# Altium PCB pcb.PcbDoc (part 1 of 2)
Units mil, origin at the board's own origin, x right, y up, seen from the top; angles counter-clockwise.
Board outline 3149.61 x 3307.09 mil, 4 copper layers (Top Layer, Layer 1, Layer 2, Bottom Layer), stack 23.756 mil thick; 88 components, 79 nets, 394 pads, 127 vias.
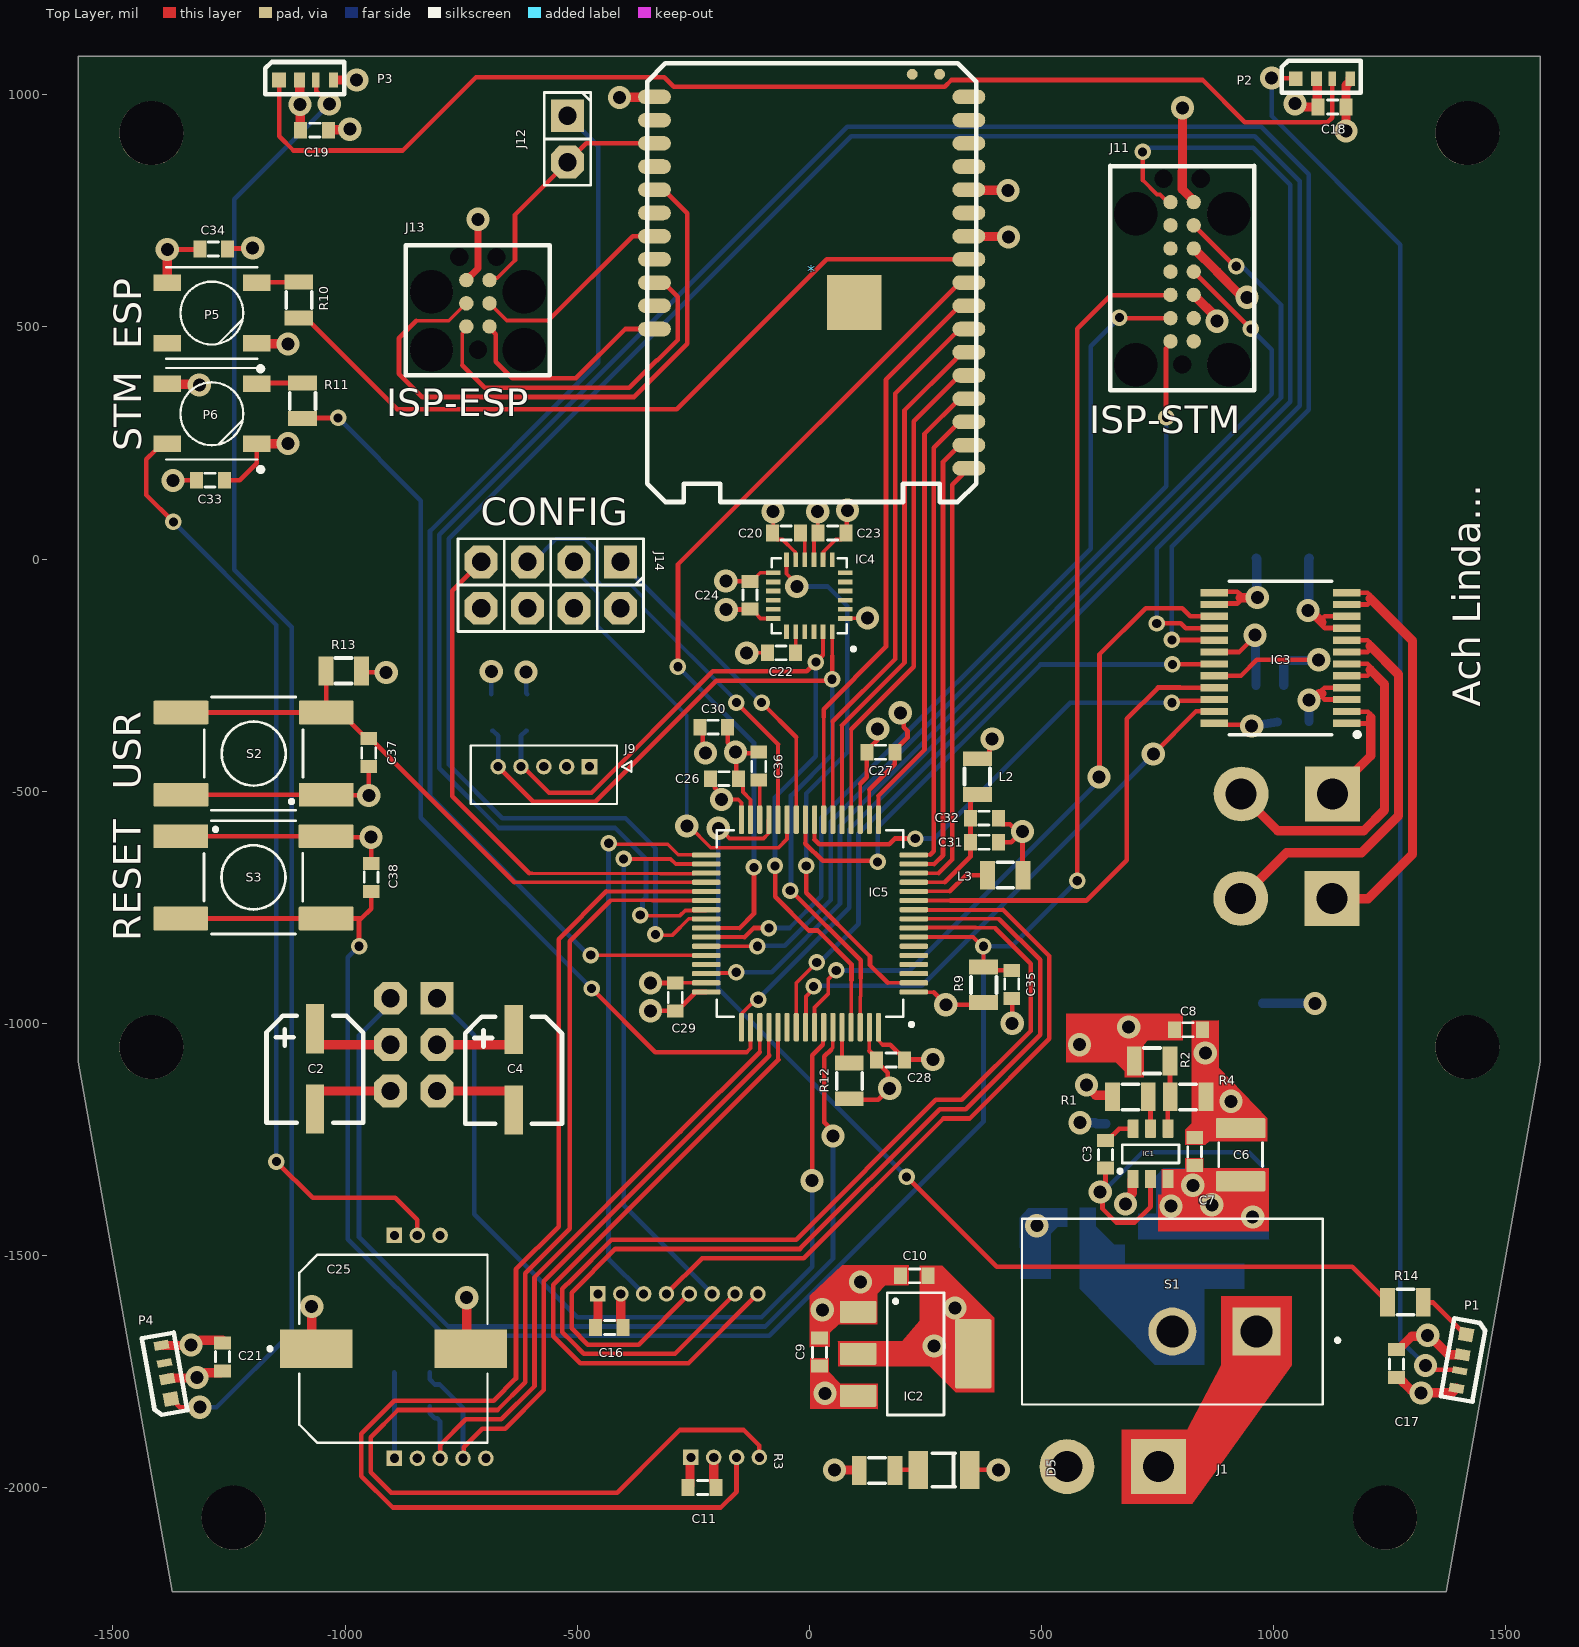
[diagram p0: Top Layer view]
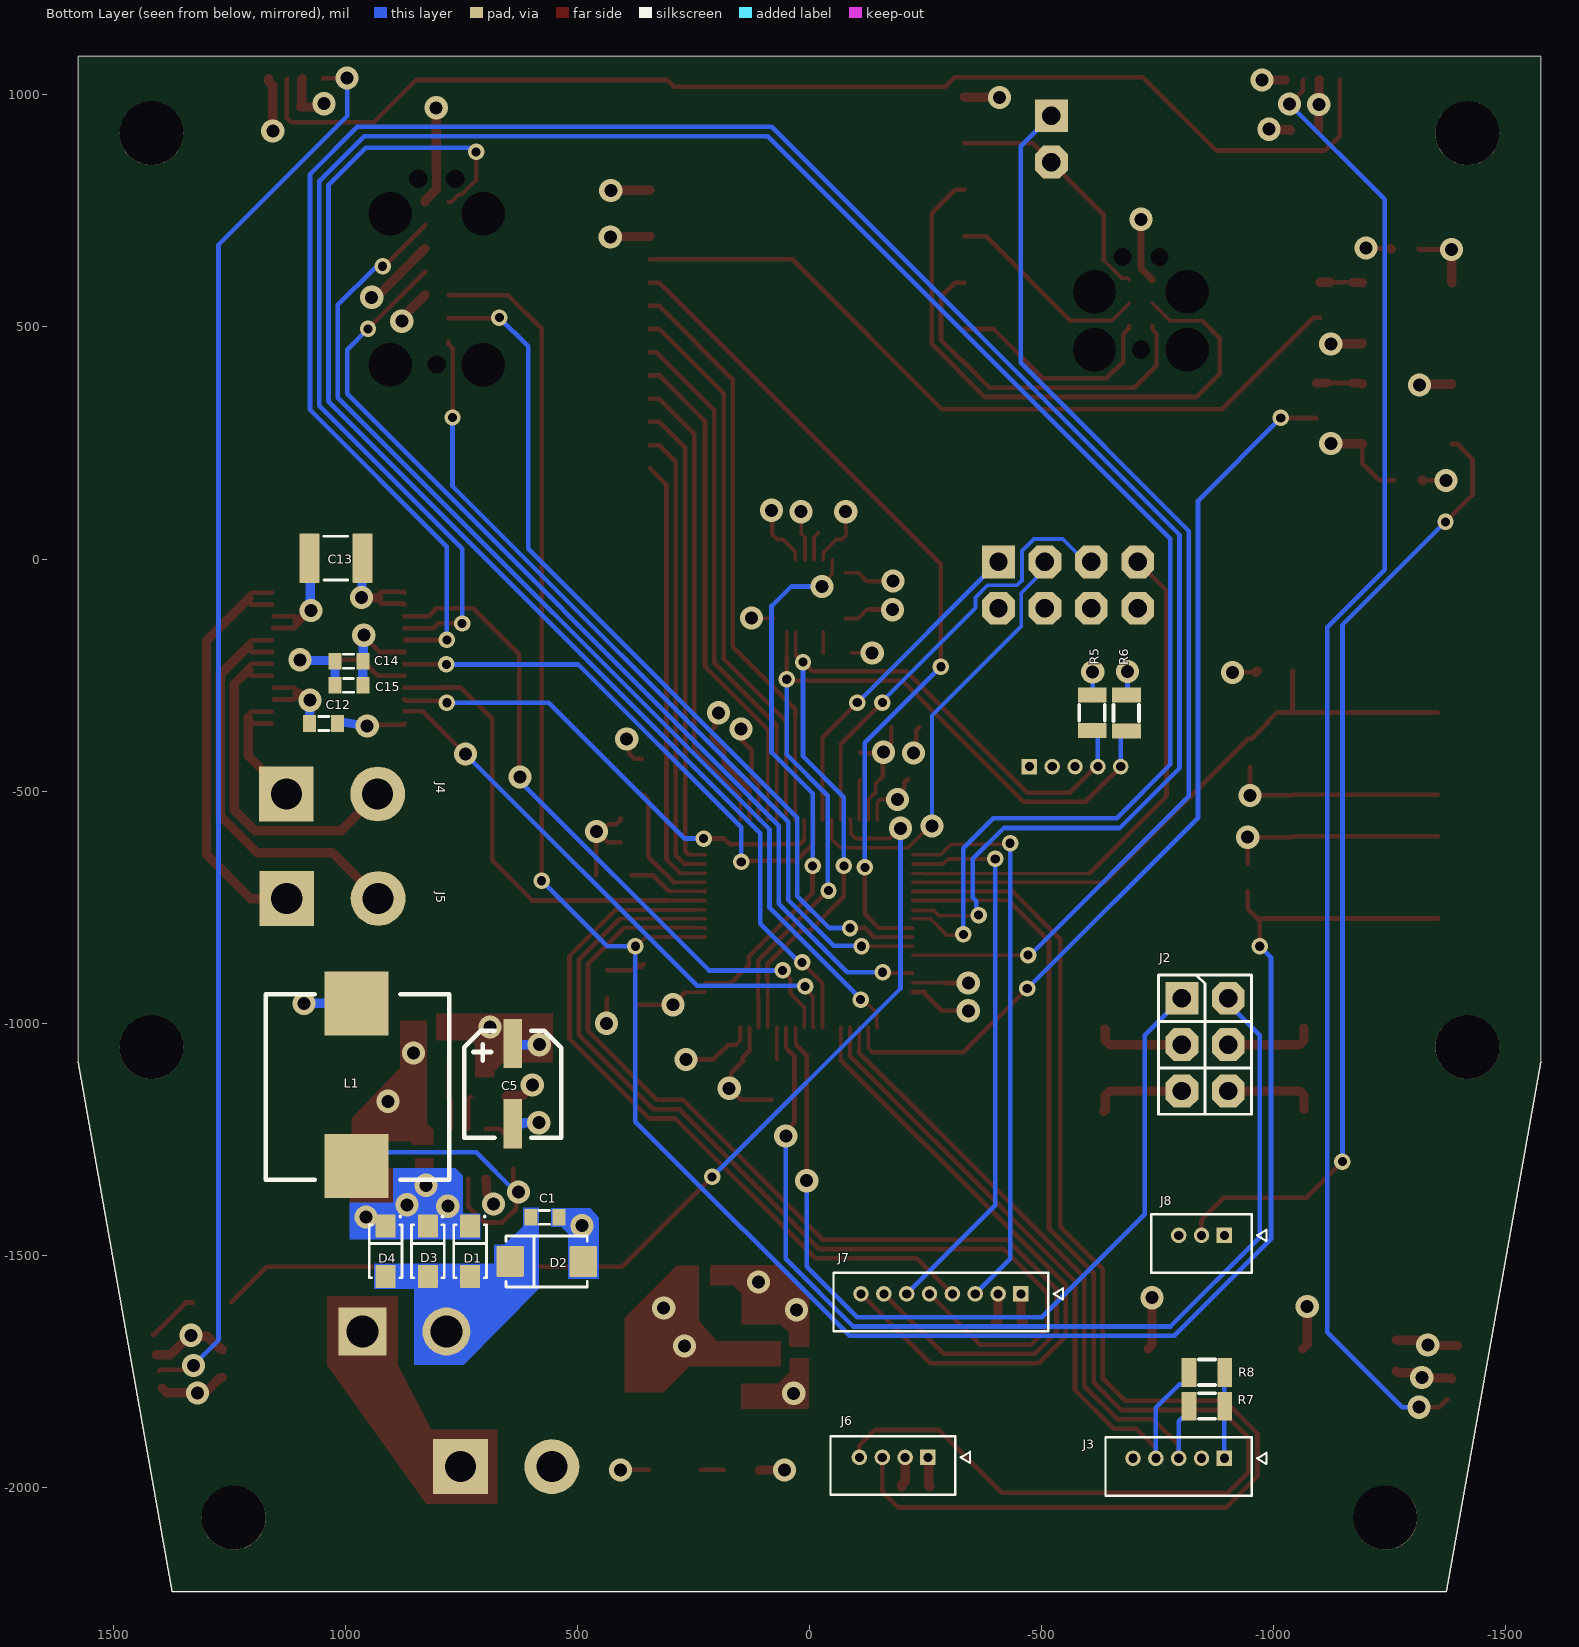
[diagram p1: Bottom Layer view, seen from below]
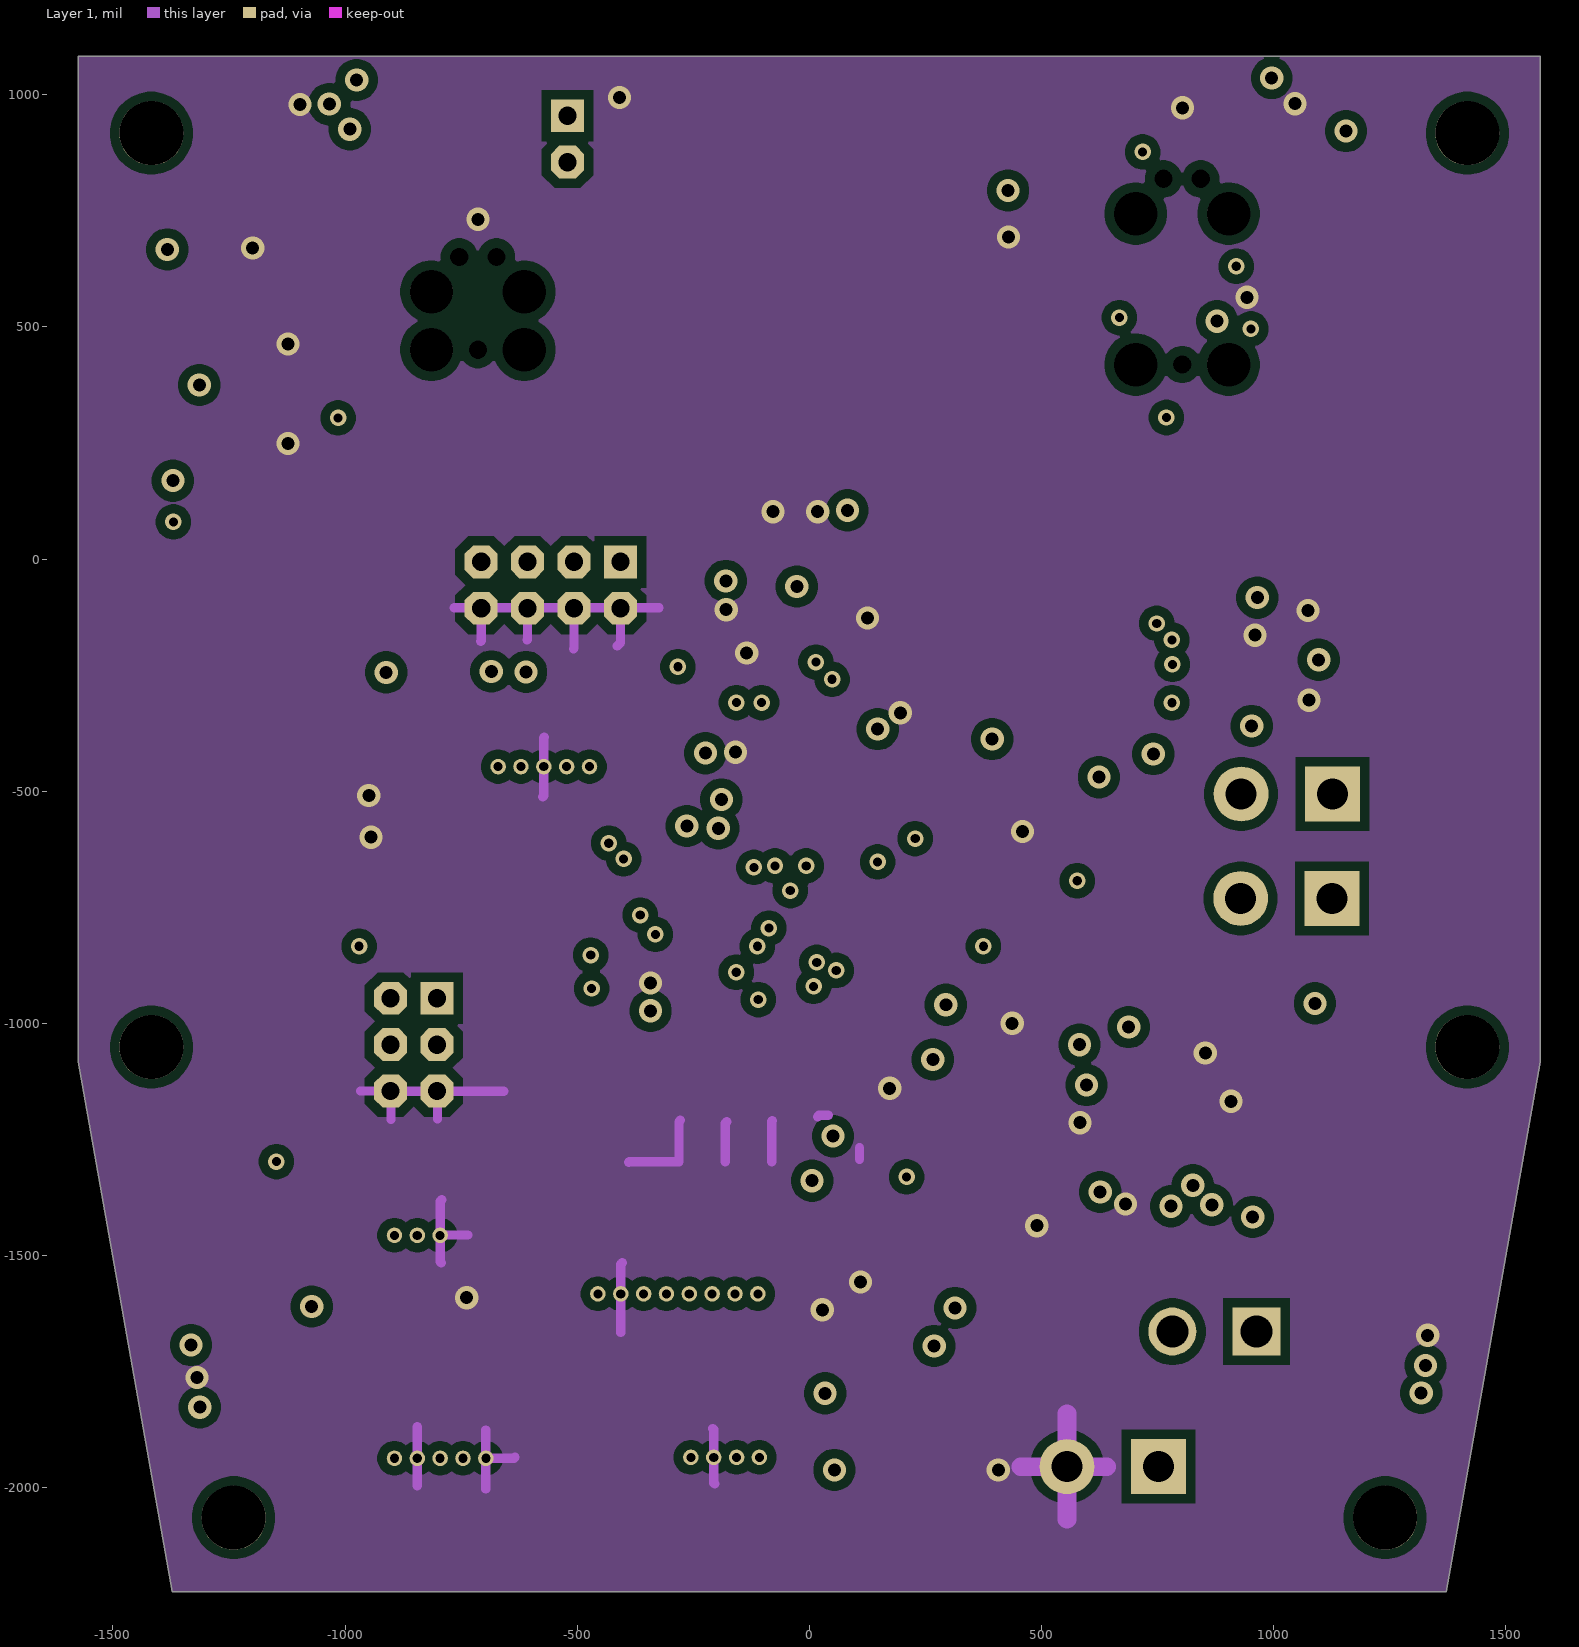
[diagram p2: Layer 1]
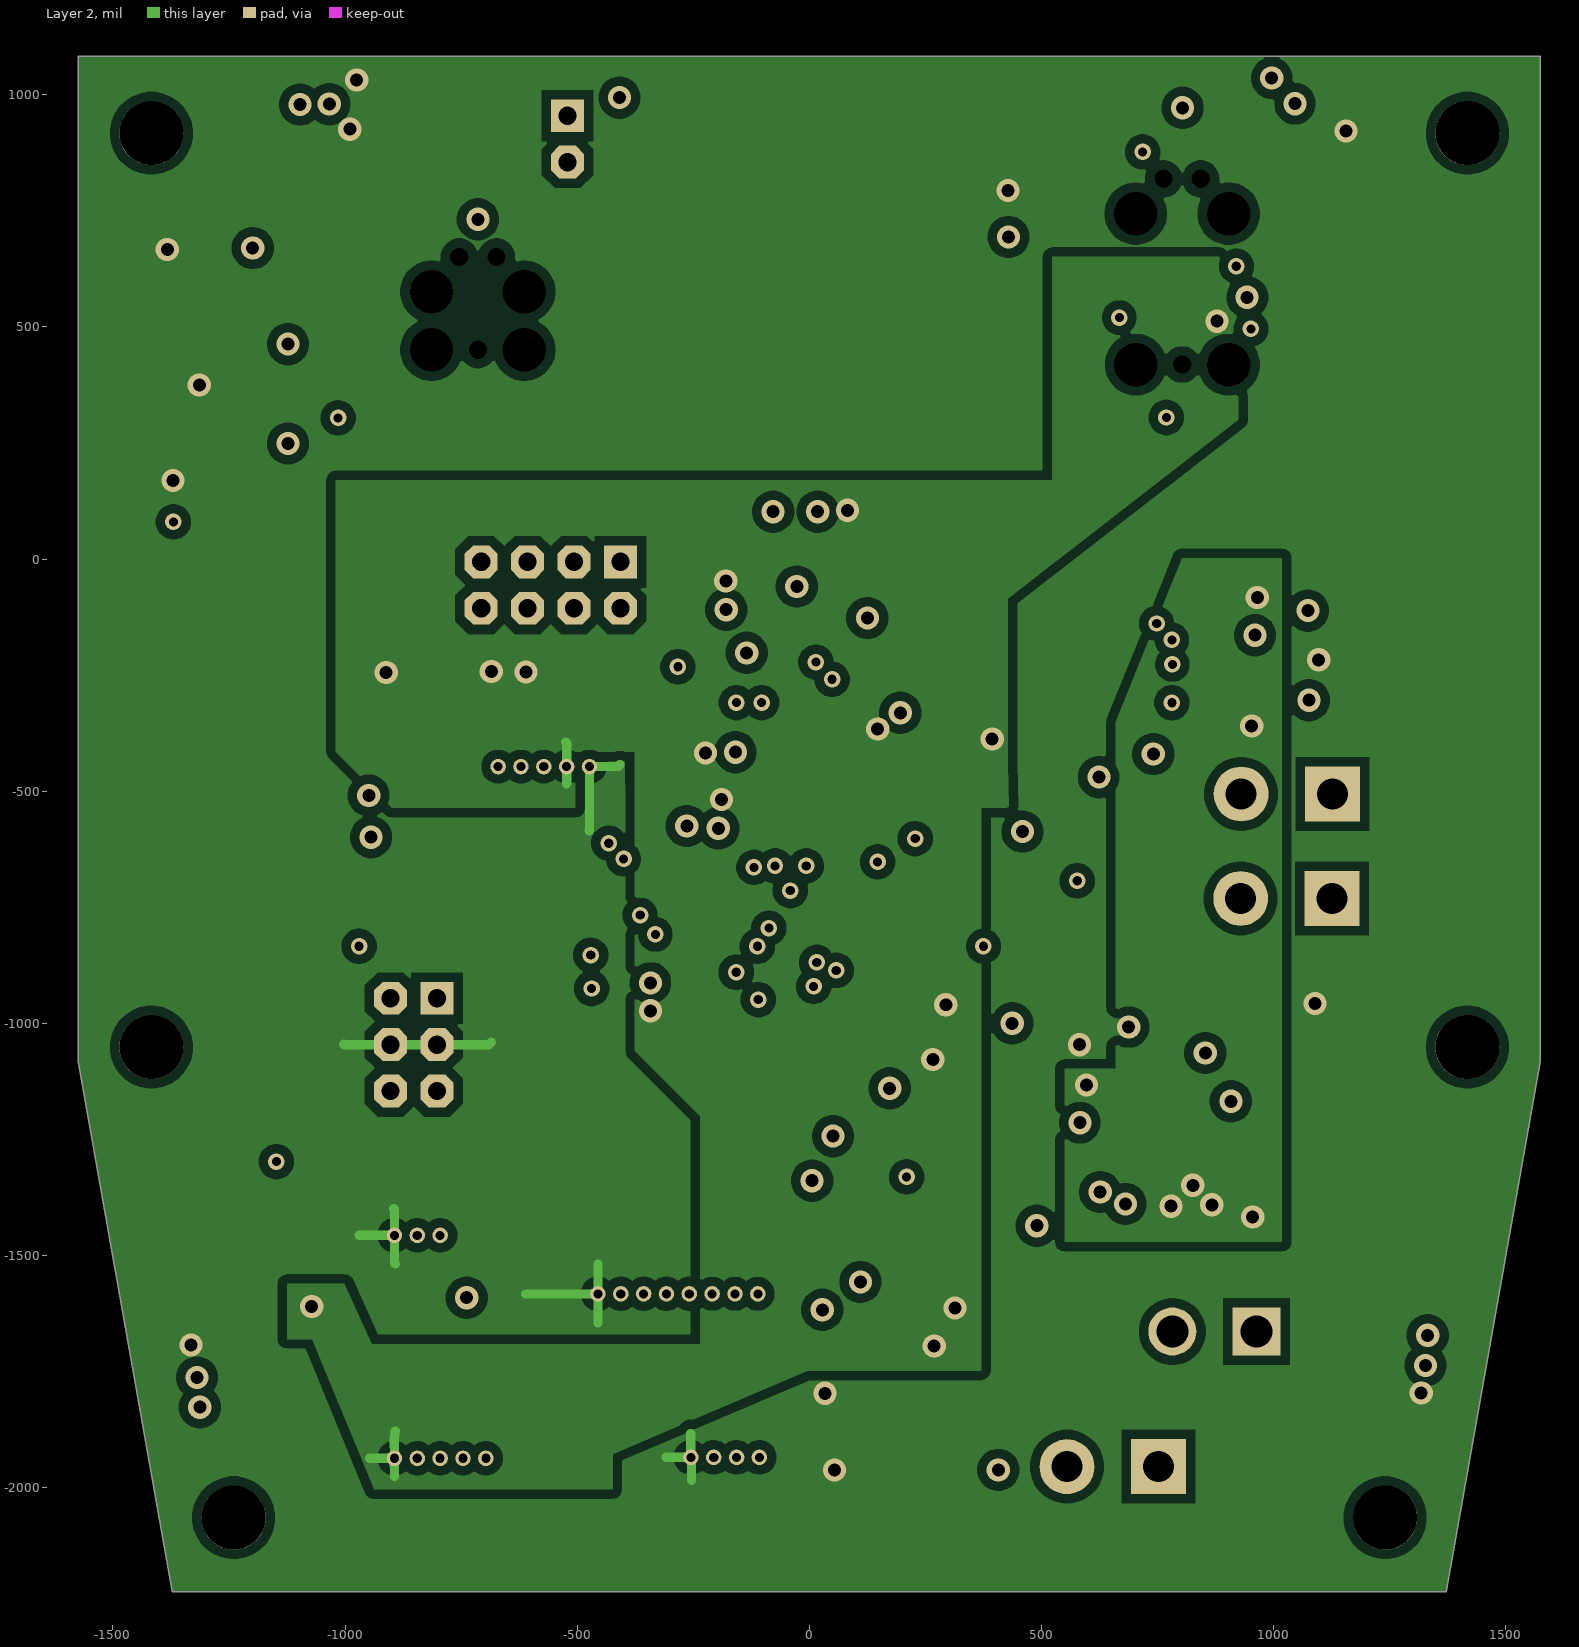
[diagram p3: Layer 2]

## Layer stack, top to bottom
Top Solder: solder mask 0.4, Solder Resist, Dk 3.5
Top Layer: signal copper 1.4
Dielectric 2: prepreg 2.8, PP-006, Dk 4.1
Layer 1: signal copper 1.378
Dielectric 1: dielectric 12.6, FR-4, Dk 4.8
Layer 2: signal copper 1.378
Dielectric 3: prepreg 2.8, PP-006, Dk 4.1
Bottom Layer: signal copper 1.4
Bottom Solder: solder mask 0.4, Solder Resist, Dk 3.5

## Board outline
-1372.12,-2224.3 -1574.69,-1082.57 -1574.69,1082.79 1574.91,1082.79 1574.91,-1082.57 1372.34,-2224.3

## Design rules (kind name [scope] priority, off if disabled: settings)
Clearance Clearance_poly [(InPoly)] p1: gap=20 ignorepadtopadclearanceinfootprint=FALSE
Clearance Clearance_IC [IsPad AND HasFootprint('LM3150') OR IsPad AND HasFootprint('TSSOP14') OR IsPad AND HasFootprint('LQFP48') OR IsPad AND HasFootprint('SOT363') OR IsPad AND HasFootprint('SOT563') OR IsPad AND  HasFootprint('STM32F446RET6') OR IsPad AND  HasFootprint('MSOP-8') OR IsPad AND HasFootprint('MPU_6050') OR IsPad AND HasFootprint('SOP65P760X160-24N') OR IsPad AND    HasFootprint('MEC6-130-02-L-D-RA1')] p2: gap=6 ignorepadtopadclearanceinfootprint=FALSE
Clearance [All] p3: gap=10 ignorepadtopadclearanceinfootprint=FALSE except(0: Arc-Hole Track-Hole SMDPad-Hole THPad-Hole Via-Hole Fill-Hole Poly-Hole Region-Hole Text-Hole)
ComponentClearance [All] p1: gap=20 collisioncheckmode=3 verticalgap=10 showdistances=FALSE
Height [All] p1: minheight=0 maxheight=1500 prefheight=1000
HoleSize [All] p1: absolutevalues=TRUE maxlimit=334.65 minlimit=11.81 maxpercent=80.000 minpercent=20.000
MinimumAnnularRing [All] p1: minimumring=5.91
MinimumSolderMaskSliver [All] p1: minsoldermaskwidth=0
PlaneClearance [All] p1: clearance=10
PolygonConnect PolygonConnect_via [All vs IsVIa] p1: connectstyle=Direct reliefconductorwidth=10 reliefentries=4 polygonreliefangle="90 Angle" airgapwidth=10
PolygonConnect [All] p2: connectstyle=NoConnect reliefconductorwidth=10 reliefentries=4 polygonreliefangle="90 Angle" airgapwidth=20
RoutingVias [All] p1: holewidth=11.81 width=19.68 viastyle="Through Hole" minholewidth=10 minwidth=15 maxholewidth=28 maxwidth=50
SilkToSolderMaskClearance SilkscreenOverComponentPads [IsPad] p1: minsilkscreentomaskgap=0 clearancetoexposedcopper=TRUE
SolderMaskExpansion SolderMaskExpansion_fid [HasFootprint('FIDUCIAL_RUND_1.524mm')] p1: expansion=78.74 istentingtop=FALSE
SolderMaskExpansion SolderMaskExpansion_Vias [(IsVia)] p2: expansion=-3.94 istentingtop=FALSE
SolderMaskExpansion [All] p3: expansion=4 istentingtop=FALSE
Width [All] p1: maxlimit=40 minlimit=6 preferedwidth=10 minimp=50.000000 maximp=50.000000 favimp=50.000000
24 further rules are at their usual default settings.

## Classes and differential pairs
component class U_Microcrontroller: * C26 C27 C28 C29 C30 C31 C32 C33 C34 C35 C36 C37 C38 IC5 J11 J12 J13 J14 L2 L3 P5 P6 R9 R10 R11 R12 R13 S2 S3
component class robocar: C1 C2 C3 C4 C5 C6 C7 C8 C9 C10 C11 C12 C13 C14 C15 C16 C17 C18 C19 C20 C21 C22 C23 C24 C25 D1 D2 D3 D4 D5 IC1 IC2 IC3 IC4 J1 J2 J3 J4 J5 J6 J7 J8 J9 L1 P1 P2 P3 P4 R1 R2 R3 R4 R5 R6 R7 R8 R14 S1
